# Allegro board GPS_INTERFACE_BOARD_v24_test_SFP_.brd (continued)
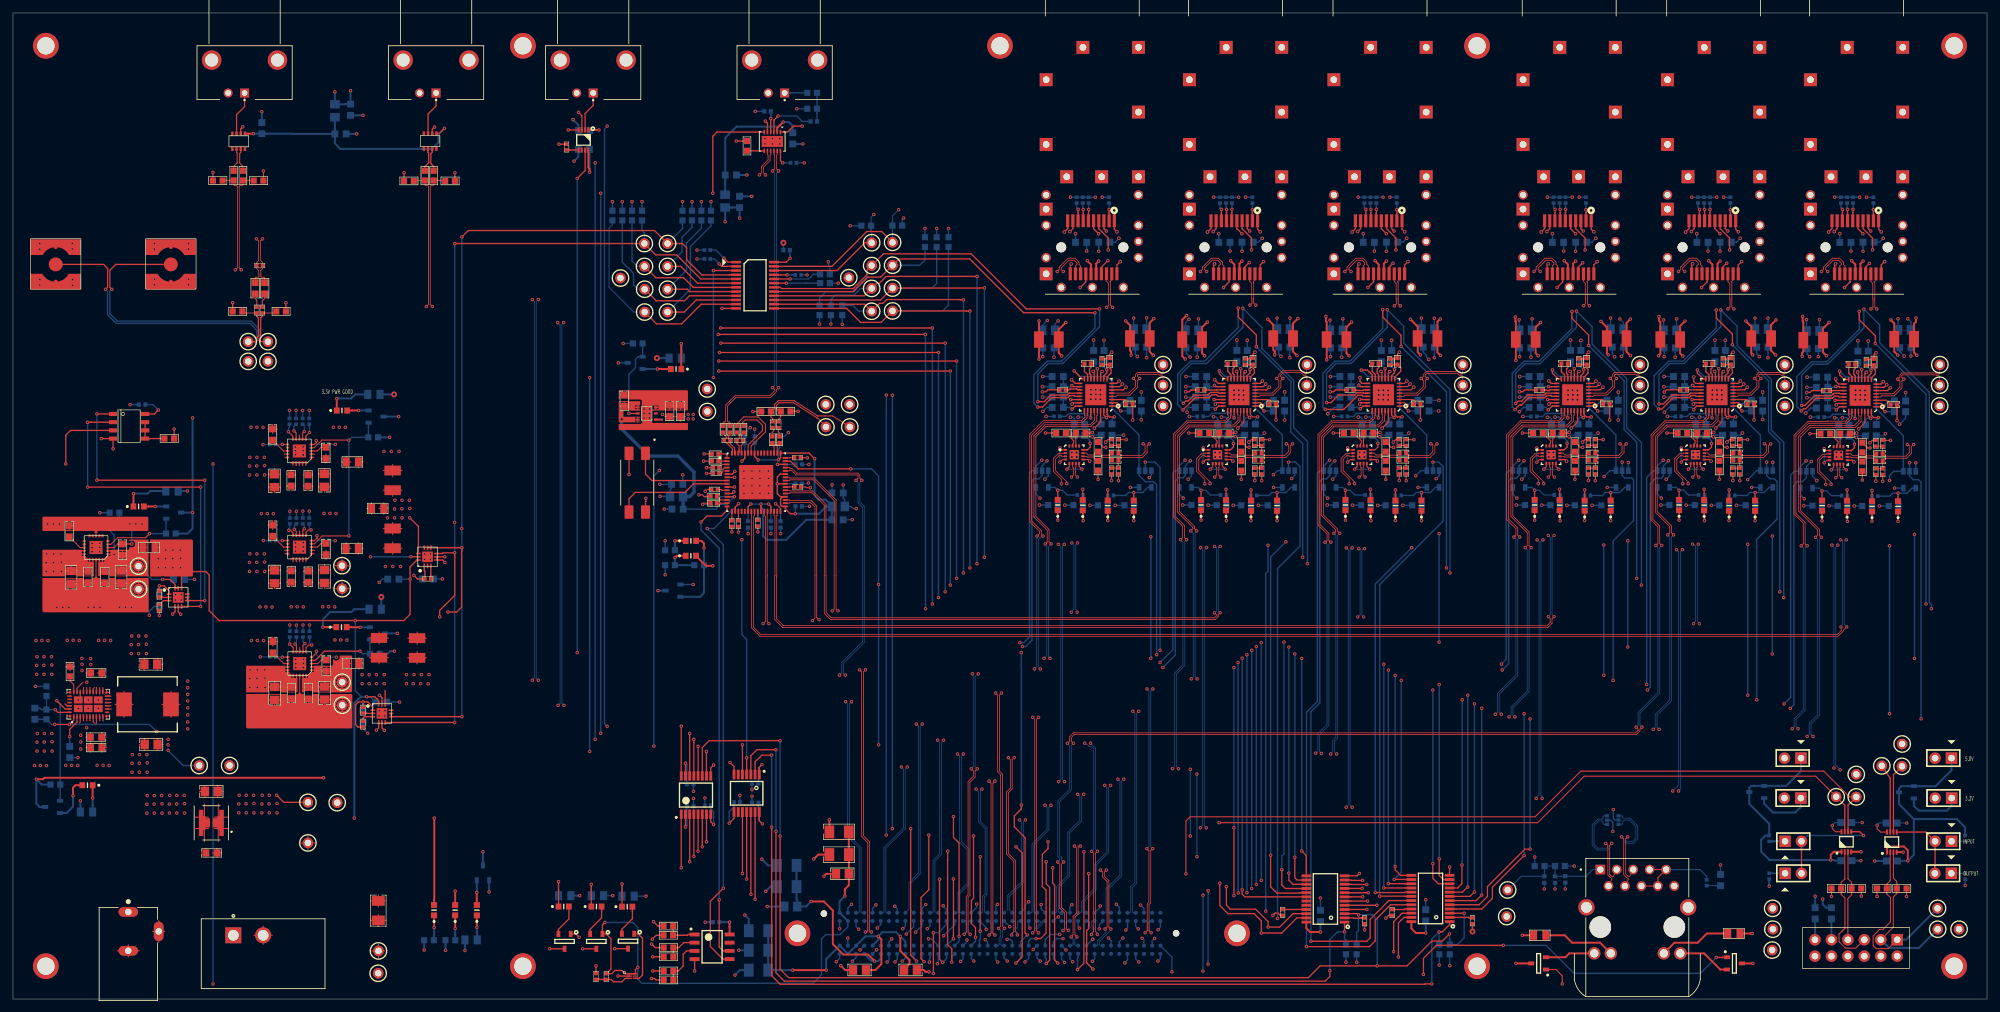
[diagram p0: board, top side]
## Routing (per net, layer and track width the routed paths; a pad name or vN(x,y) marks a point on that pad's centre or on a via; arc(x,y) is an arc through that point) (continued)
PG_5V: length 12
  TOP w0.165: 20.47,71.3 16.14,71.3 15.11,70.27 U7.4
  TOP w0.203: 20.47,71.3 20.47,71.32 v1(21.08,71.93)
  BOTTOM w0.203: Q4.1 23.67,73.71 23.63,73.67 R50.1 v1(21.08,71.93)
PG_5V5: length 18.2
  TOP w0.203: v1(6.78,46.1) 8.06,44.82 U6.31
  BOTTOM w0.203: v1(6.78,46.1) 7.29,45.59 7.29,34.21 7.3,34.2 R40.1 7.3,31.2 7.27,31.17 Q3.1
R_N_SFP INTERFACE_SFP1: length 2.6
  TOP w0.165: U22.15 281.61,85.66 281.8,85.84 281.8,86.16 R130.2
R_N_SFP INTERFACE_SFP2: length 2.6
  TOP w0.165: U26.15 259.54,85.76 259.72,85.94 259.72,86.26 R151.2
R_N_SFP INTERFACE_SFP3: length 2.6
  TOP w0.165: U30.15 237.24,85.76 237.42,85.94 237.42,86.26 R172.2
R_N_SFP INTERFACE_SFP4: length 2.6
  TOP w0.165: R193.2 208.21,86.26 208.21,85.94 208.03,85.76 U34.15
R_N_SFP INTERFACE_SFP5: length 2.6
  TOP w0.165: U38.15 185.73,85.76 185.91,85.94 185.91,86.26 R214.2
R_N_SFP INTERFACE_SFP6: length 2.6
  TOP w0.165: R235.2 163.79,86.26 163.79,85.94 163.61,85.76 U42.15
R_P_SFP INTERFACE_SFP1: length 2
  TOP w0.165: U22.14 282.11,86.68 282.13,86.69 R128.2
R_P_SFP INTERFACE_SFP2: length 2
  TOP w0.165: R149.2 260.06,86.79 260.04,86.78 U26.14
R_P_SFP INTERFACE_SFP3: length 2
  TOP w0.165: R170.2 237.76,86.79 237.74,86.78 U30.14
R_P_SFP INTERFACE_SFP4: length 2
  TOP w0.165: U34.14 208.53,86.78 208.55,86.79 R191.2
R_P_SFP INTERFACE_SFP5: length 2
  TOP w0.165: R212.2 186.24,86.79 186.23,86.78 U38.14
R_P_SFP INTERFACE_SFP6: length 2
  TOP w0.165: R233.2 164.12,86.79 164.11,86.78 U42.14
RS_SFP INTERFACE_SFP1: length 2.8
  TOP w0.203: J18.7 283.26,121.49 283.26,121.49 v1(283.26,122.05)
  BOTTOM w0.203: R129.2 283.18,122.15 283.26,122.07 v1(283.26,122.05)
RS_SFP INTERFACE_SFP2: length 2.8
  TOP w0.203: J19.7 261.19,121.49 261.19,121.49 v1(261.19,122.05)
  BOTTOM w0.203: R150.2 261.11,122.15 261.19,122.07 v1(261.19,122.05)
RS_SFP INTERFACE_SFP3: length 2.8
  TOP w0.203: v1(238.89,122.05) 238.89,121.49 238.88,121.49 J20.7
  BOTTOM w0.203: R171.2 238.81,122.15 238.89,122.07 v1(238.89,122.05)
RS_SFP INTERFACE_SFP4: length 2.8
  TOP w0.203: J21.7 209.67,121.49 209.68,121.49 v1(209.68,122.05)
  BOTTOM w0.203: R192.2 209.6,122.15 209.68,122.07 v1(209.68,122.05)
RS_SFP INTERFACE_SFP5: length 2.8
  TOP w0.203: v1(187.38,122.05) 187.38,121.49 187.37,121.49 J22.7
  BOTTOM w0.203: v1(187.38,122.05) 187.38,122.07 187.3,122.15 R213.2
RS_SFP INTERFACE_SFP6: length 2.8
  TOP w0.203: J23.7 165.25,121.49 165.25,121.49 v1(165.25,122.05)
  BOTTOM w0.165: R234.2 165.18,122.15 165.25,122.07 v1(165.25,122.05)
RT_5V5: length 2.6
  TOP w0.165: R42.1 8.81,49.19 9.38,48.62 U6.26
SFP_RD_N_SFP INTERFACE_SFP1: length 41.4
  TOP w0.127: J18.12 282.06,113.29 282.3,113.53 282.3,113.76 281.89,114.17 281.05,114.17 279.87,113 279.87,112.76 v1(280.19,112.45) ; U23.4 288.32,93.04 288.51,93.23 290.45,93.23 291.66,94.43 291.66,95.51 v1(291.96,95.81) 291.62,96.14 291.62,96.32 291.77,96.47 296.93,96.47 297.07,96.32 297.37,96.32 297.5,96.19 TP56.1
  L5 w0.127: v1(280.19,112.45) 279.87,112.13 279.87,111.89 281.66,110.1 281.66,108.64 288.85,101.45 288.85,99.25 291.62,96.48 291.62,96.14 v1(291.96,95.81)
SFP_RD_N_SFP INTERFACE_SFP2: length 39.5
  TOP w0.127: J19.12 259.99,113.29 260.23,113.53 260.23,113.76 259.82,114.17 258.97,114.17 257.8,113 257.8,112.76 v1(258.11,112.45) ; TP57.1 273.58,96.19 273.46,96.32 273.16,96.32 272.92,96.55 269.68,96.55 269.55,96.43 269.55,96.25 v1(269.89,95.91) 269.58,95.61 269.58,94.53 268.38,93.33 266.43,93.33 266.25,93.15 U27.4
  L5 w0.127: v1(269.89,95.91) 269.55,96.25 269.55,96.54 266.64,99.45 266.64,101.49 259.58,108.55 259.58,110.06 259.41,110.22 259.4,110.22 257.82,111.8 257.82,111.98 258.11,112.27 v1(258.11,112.45)
SFP_RD_N_SFP INTERFACE_SFP3: length 39.4
  TOP w0.127: v1(235.81,112.45) 235.5,112.76 235.5,113 236.67,114.17 237.52,114.17 237.93,113.76 237.93,113.53 237.68,113.29 J20.12 ; TP58.1 251.21,96.19 251.08,96.32 250.78,96.32 250.55,96.55 247.38,96.55 247.25,96.43 247.25,96.25 v1(247.58,95.91) 247.28,95.61 247.28,94.53 246.08,93.33 244.13,93.33 243.95,93.15 U31.4
  L5 w0.127: v1(235.81,112.45) 235.5,112.13 235.5,111.97 237.37,110.1 237.36,110.08 237.49,109.92 237.49,109.92 237.54,109.85 237.55,109.84 237.55,107.99 244.42,101.12 244.42,99.43 247.25,96.6 247.25,96.25 v1(247.58,95.91)
SFP_RD_N_SFP INTERFACE_SFP4: length 41.4
  TOP w0.127: TP59.1 223.85,96.19 223.72,96.32 223.43,96.32 223.05,96.7 218.31,96.7 218.04,96.43 218.04,96.25 v1(218.37,95.91) 218.07,95.61 218.07,94.53 216.87,93.33 214.92,93.33 214.74,93.15 U35.4 ; J21.12 208.47,113.29 208.72,113.53 208.72,113.76 208.31,114.17 207.46,114.17 206.29,113 206.29,112.76 v1(206.6,112.45)
  L5 w0.127: v1(218.37,95.91) 218.04,96.25 218.04,96.74 215.24,99.54 215.24,101.57 210.01,106.8 209.98,106.83 209.94,106.85 209.92,106.9 208.11,108.7 208.11,110.06 206.29,111.89 206.29,112.13 v1(206.6,112.45)
SFP_RD_N_SFP INTERFACE_SFP5: length 39.8
  TOP w0.127: J22.12 186.17,113.29 186.41,113.53 186.41,113.76 186.01,114.17 185.16,114.17 183.98,113 183.98,112.76 v1(184.3,112.45) ; U39.4 192.44,93.15 192.62,93.33 194.57,93.33 195.77,94.53 195.77,95.61 v1(196.07,95.91) 195.74,96.25 195.74,96.43 196.14,96.82 198.84,96.82 199.35,96.32 199.64,96.32 199.77,96.19 TP60.1
  L5 w0.127: v1(184.3,112.45) 183.98,112.13 183.98,111.89 185.84,110.04 185.84,108.64 185.82,108.62 185.82,108.33 193.01,101.13 193.01,99.54 195.74,96.82 195.74,96.25 v1(196.07,95.91)
SFP_RD_N_SFP INTERFACE_SFP6: length 39.5
  TOP w0.127: v1(162.18,112.45) 161.86,112.76 161.86,113 163.04,114.17 163.88,114.17 164.29,113.76 164.29,113.53 164.05,113.29 J23.12 ; TP61.1 177.57,96.19 177.44,96.32 177.15,96.32 176.91,96.55 173.74,96.55 173.61,96.43 173.61,96.25 v1(173.95,95.91) 173.65,95.61 173.65,94.53 172.44,93.33 170.5,93.33 170.32,93.15 U43.4
  L5 w0.127: v1(173.95,95.91) 173.61,96.25 173.61,96.62 170.94,99.29 170.94,101.13 163.72,108.35 163.72,108.64 163.74,108.66 163.74,110.01 161.86,111.89 161.86,112.13 v1(162.18,112.45)
SFP_RD_P_SFP INTERFACE_SFP1: length 42.4
  TOP w0.127: J18.13 282.86,113.29 282.62,113.53 282.62,113.9 282.02,114.49 280.92,114.49 279.55,113.13 279.55,112.76 v1(279.24,112.45) ; TP50.1 297.5,96.72 297.37,96.6 297.19,96.6 297.04,96.75 291.65,96.75 291.34,96.44 291.34,96.14 v1(291.01,95.81) 291.34,95.48 291.34,94.56 290.32,93.54 U23.5
  L5 w0.127: v1(279.24,112.45) 279.55,112.13 279.55,112.05 279.59,112.01 279.59,111.78 281.38,109.99 281.38,108.52 288.57,101.33 288.57,99.14 291.34,96.36 291.34,96.14 v1(291.01,95.81)
SFP_RD_P_SFP INTERFACE_SFP2: length 40.5
  TOP w0.127: U27.5 268.25,93.65 269.27,94.66 269.27,95.58 v1(268.94,95.91) 269.27,96.25 269.27,96.54 269.56,96.83 273.04,96.83 273.28,96.6 273.46,96.6 273.58,96.72 TP51.1 ; v1(257.16,112.45) 257.48,112.76 257.48,113.13 258.84,114.49 259.95,114.49 260.54,113.9 260.54,113.53 260.79,113.29 J19.13
  L5 w0.127: v1(268.94,95.91) 269.27,96.25 269.27,96.43 266.36,99.34 266.36,101.37 259.3,108.43 259.3,109.94 259.28,109.94 257.54,111.68 257.54,112.07 v1(257.16,112.45)
SFP_RD_P_SFP INTERFACE_SFP3: length 40.4
  TOP w0.127: v1(234.86,112.45) 235.18,112.76 235.18,113.13 236.54,114.49 237.65,114.49 238.24,113.9 238.24,113.53 238.48,113.29 J20.13 ; TP52.1 251.21,96.72 251.08,96.6 250.9,96.6 250.66,96.83 247.26,96.83 246.97,96.54 246.97,96.25 v1(246.63,95.91) 246.96,95.58 246.96,94.66 245.95,93.65 U31.5
  L5 w0.127: v1(246.63,95.91) 246.97,96.25 246.97,96.49 244.14,99.31 244.14,101 237.27,107.88 237.27,109.75 237.14,109.9 237.12,109.91 235.18,111.84 235.18,112.13 v1(234.86,112.45)
SFP_RD_P_SFP INTERFACE_SFP4: length 42.4
  TOP w0.127: U35.5 216.74,93.65 217.75,94.66 217.75,95.58 v1(217.42,95.91) 217.76,96.25 217.76,96.54 218.2,96.98 223.16,96.98 223.54,96.6 223.72,96.6 223.85,96.72 TP53.1 ; v1(205.65,112.45) 205.97,112.76 205.97,113.13 207.33,114.49 208.44,114.49 209.03,113.9 209.03,113.53 209.27,113.29 J21.13
  L5 w0.127: v1(205.65,112.45) 205.97,112.13 205.97,111.76 207.8,109.93 207.8,108.57 209.79,106.58 209.84,106.58 214.96,101.46 214.96,99.43 217.76,96.63 217.76,96.25 v1(217.42,95.91)
SFP_RD_P_SFP INTERFACE_SFP5: length 40.7
  TOP w0.127: v1(183.35,112.45) 183.67,112.76 183.67,113.13 185.03,114.49 186.14,114.49 186.73,113.9 186.73,113.53 186.97,113.29 J22.13 ; TP54.1 199.77,98.04 199.77,96.72 199.64,96.6 199.46,96.6 198.96,97.1 196.02,97.1 195.46,96.54 195.46,96.25 v1(195.12,95.91) 195.45,95.58 195.45,94.66 194.43,93.65 U39.5
  L5 w0.127: v1(183.35,112.45) 183.67,112.13 183.67,111.76 185.52,109.91 185.52,108.64 185.54,108.62 185.54,108.21 192.74,101.02 192.74,99.43 195.46,96.7 195.46,96.25 v1(195.12,95.91)
SFP_RD_P_SFP INTERFACE_SFP6: length 40.4
  TOP w0.127: U43.5 172.31,93.65 173.33,94.66 173.33,95.58 v1(173,95.91) 173.34,96.25 173.34,96.54 173.63,96.83 177.03,96.83 177.26,96.6 177.44,96.6 177.57,96.72 TP55.1 ; J23.13 164.85,113.29 164.61,113.53 164.61,113.9 164.01,114.49 162.91,114.49 161.54,113.13 161.54,112.76 v1(161.23,112.45)
  L5 w0.127: v1(173,95.91) 173.34,96.25 173.34,96.5 170.66,99.17 170.66,101.02 163.44,108.24 163.44,108.64 163.42,108.66 163.42,109.88 161.54,111.76 161.54,112.13 v1(161.23,112.45)
SFP_TD_N_SFP INTERFACE_SFP1: length 59.6
  TOP w0.127: J18.19 287.66,111.15 287.36,110.85 287.46,110.75 287.46,108.25 287.45,108.23 287.46,107.94 287.46,106.97 v1(287.78,106.65) ; R126.1 R122.2 288.69,81.97 C141.2 289.08,83.58 292.37,83.58 293.13,84.34 293.13,85.41 293.29,85.57 293.42,85.57 293.46,85.61 v1(293.46,85.71)
  L4 w0.165: v1(293.46,85.71) 293.46,85.89 293.17,86.18 293.17,96.19 289.78,99.58 289.78,101.58 287.41,103.94 287.41,104.74
  L5 w0.127: v1(287.78,106.65) 287.46,106.34 287.46,104.51 289.81,102.16 289.81,99.67 293.12,96.36 293.12,86.04 v1(293.46,85.71)
SFP_TD_N_SFP INTERFACE_SFP2: length 38
  TOP w0.127: v1(265.7,106.65) 265.39,106.97 265.39,107.94 265.37,108.23 265.39,108.25 265.39,110.75 265.29,110.85 265.59,111.15 J19.19 ; C164.2 267.01,83.68 270.3,83.68 271.06,84.44 271.06,85.51 271.22,85.68 271.35,85.68 271.38,85.71 v1(271.38,85.81)
  TOP w0.165: C164.2 266.61,82.07 R143.2 R147.1
  L5 w0.127: v1(271.38,85.81) 271.38,85.99 271.08,86.3 271.08,86.36 271.07,86.36 271.07,96.35 267.72,99.71 267.72,102.01 265.39,104.33 265.39,106.34 v1(265.7,106.65)
SFP_TD_N_SFP INTERFACE_SFP3: length 38
  TOP w0.127: v1(243.4,107.15) 243.09,107.47 243.09,107.94 243.07,108.23 243.09,108.25 243.09,110.75 242.99,110.85 243.28,111.15 J20.19 ; C187.2 244.71,83.68 248,83.68 248.75,84.44 248.75,85.51 248.92,85.68 249.05,85.68 249.08,85.71 v1(249.08,85.81)
  TOP w0.165: C187.2 244.31,82.07 R164.2 R168.1
  L5 w0.127: v1(249.08,85.81) 249.08,85.99 248.69,86.38 248.69,90.37 248.65,90.42 248.65,96.46 245.44,99.67 245.44,102.01 243.09,104.36 243.09,106.84 v1(243.4,107.15)
SFP_TD_N_SFP INTERFACE_SFP4: length 38
  TOP w0.127: v1(214.19,107.13) 213.88,107.44 213.88,107.94 213.86,108.23 213.88,108.25 213.88,110.75 213.78,110.85 214.07,111.15 J21.19 ; C210.2 215.5,83.68 218.79,83.68 219.54,84.44 219.54,85.51 219.71,85.68 219.84,85.68 219.87,85.71 v1(219.87,85.81)
  TOP w0.165: C210.2 215.1,82.07 R185.2 R189.1
  L5 w0.127: v1(214.19,107.13) 213.88,106.81 213.88,104.45 216.23,102.1 216.23,99.92 219.3,96.85 219.3,91.27 219.27,91.24 219.27,88.85 219.58,88.54 219.58,86.28 219.87,85.99 v1(219.87,85.81)
SFP_TD_N_SFP INTERFACE_SFP5: length 38.1
  TOP w0.127: C233.2 193.2,83.68 196.49,83.68 197.24,84.44 197.24,85.51 197.41,85.68 197.54,85.68 197.57,85.71 v1(197.57,85.81) ; v1(191.89,107.24) 191.58,107.56 191.58,107.94 191.58,107.94 191.56,108.23 191.58,108.25 191.58,110.75 191.48,110.85 191.77,111.15 J22.19
  TOP w0.165: C233.2 192.8,82.07 R206.2 R210.1
  L5 w0.127: v1(191.89,107.24) 191.58,106.93 191.58,104.09 193.98,101.69 193.98,99.62 195.7,97.9 195.8,97.9 195.87,97.84 195.89,97.84 197.28,96.45 197.28,86.28 197.57,85.99 v1(197.57,85.81)
SFP_TD_N_SFP INTERFACE_SFP6: length 38
  TOP w0.127: v1(169.77,106.9) 169.45,107.21 169.45,107.94 169.44,108.23 169.46,108.25 169.46,110.75 169.35,110.85 169.65,111.15 J23.19 ; C256.2 171.07,83.68 174.36,83.68 175.12,84.44 175.12,85.51 175.29,85.68 175.41,85.68 175.45,85.71 v1(175.45,85.81)
  TOP w0.165: C256.2 170.68,82.07 R227.2 R231.1
  L5 w0.127: v1(169.77,106.9) 169.45,106.58 169.45,103.89 171.75,101.59 171.75,99.44 174.92,96.28 174.94,96.28 175.12,96.11 175.12,96.02 175.14,96 175.14,86.3 175.45,85.99 v1(175.45,85.81)
SFP_TD_P_SFP INTERFACE_SFP1: length 59
  TOP w0.127: v1(292.51,85.71) 292.65,85.71 292.81,85.54 292.81,84.47 292.24,83.9 289.07,83.9 C140.2 288.69,85.44 R121.2 R123.1 ; v1(286.87,106.65) 287.18,106.97 287.18,107.93 287.17,108.21 287.15,108.23 287.15,110.62 286.86,110.91 J18.18
  L4 w0.165: 287.1,104.73 287.1,103.81 289.46,101.45 289.46,99.45 292.85,96.06 292.85,86.14 292.67,85.96 292.67,85.87 v1(292.51,85.71)
  L5 w0.127: v1(292.51,85.71) 292.84,86.04 292.84,96.25 289.53,99.55 289.53,102.04 287.18,104.39 287.18,106.34 v1(286.87,106.65)
SFP_TD_P_SFP INTERFACE_SFP2: length 37.4
  TOP w0.127: v1(264.8,106.65) 265.11,106.97 265.11,107.93 265.09,108.21 265.07,108.23 265.07,110.62 264.79,110.91 J19.18 ; v1(270.43,85.81) 270.57,85.81 270.74,85.64 270.74,84.57 270.17,84 267,84 C163.2
  TOP w0.165: C163.2 266.61,85.55 R142.2 R144.1
  L5 w0.127: v1(270.43,85.81) 270.6,85.97 270.6,86.06 270.8,86.26 270.8,96.23 267.44,99.59 267.44,101.89 265.11,104.22 265.11,106.34 v1(264.8,106.65)
SFP_TD_P_SFP INTERFACE_SFP3: length 37.3
  TOP w0.127: v1(242.49,107.15) 242.81,107.47 242.81,107.93 242.79,108.21 242.77,108.23 242.77,110.62 242.48,110.91 J20.18 ; v1(248.13,85.81) 248.27,85.81 248.44,85.64 248.44,84.57 247.87,84 244.69,84 C186.2
  TOP w0.165: R165.1 R163.2 244.31,85.55 C186.2
  L5 w0.127: v1(242.49,107.15) 242.81,106.84 242.81,104.24 245.16,101.89 245.16,99.55 248.37,96.35 248.37,90.3 248.42,90.25 248.42,86.29 248.38,86.26 248.38,86.25 248.37,86.24 248.37,86.13 248.3,86.06 248.3,85.97 v1(248.13,85.81)
SFP_TD_P_SFP INTERFACE_SFP4: length 37.4
  TOP w0.127: v1(213.28,107.13) 213.6,107.44 213.6,107.93 213.58,108.21 213.56,108.23 213.56,110.62 213.27,110.91 J21.18 ; v1(218.92,85.81) 219.06,85.81 219.23,85.64 219.23,84.57 218.66,84 215.48,84 C209.2
  TOP w0.165: C209.2 215.1,85.55 R184.2 R186.1
  L5 w0.127: v1(218.92,85.81) 219.09,85.97 219.09,86.06 219.3,86.28 219.3,88.43 219,88.74 219,91.36 219.02,91.38 219.02,96.74 215.95,99.81 215.95,101.98 213.6,104.33 213.6,106.81 v1(213.28,107.13)
SFP_TD_P_SFP INTERFACE_SFP5: length 37.4
  TOP w0.127: v1(190.99,107.24) 191.3,107.56 191.3,107.88 191.28,108.21 191.26,108.23 191.26,110.62 190.97,110.91 J22.18 ; C232.2 193.18,84 196.35,84 196.93,84.57 196.93,85.64 196.76,85.81 v1(196.62,85.81)
  TOP w0.165: C232.2 192.8,85.55 R205.2 R207.1
  L5 w0.127: v1(196.62,85.81) 196.79,85.97 196.79,86.06 196.96,86.24 196.96,96.32 195.68,97.6 195.66,97.6 195.64,97.62 195.56,97.62 195.38,97.8 195.38,97.82 193.7,99.5 193.7,101.57 191.3,103.97 191.3,106.93 v1(190.99,107.24)
SFP_TD_P_SFP INTERFACE_SFP6: length 37.3
  TOP w0.127: v1(174.5,85.81) 174.64,85.81 174.8,85.64 174.8,84.57 174.23,84 171.06,84 C255.2 ; v1(168.86,106.9) 169.17,107.21 169.17,107.93 169.16,108.21 169.14,108.23 169.14,110.62 168.85,110.91 J23.18
  TOP w0.165: C255.2 170.68,85.55 R226.2 R228.1
  L5 w0.127: v1(168.86,106.9) 169.17,106.58 169.17,103.77 171.48,101.47 171.48,99.33 174.82,95.98 174.82,86.22 174.66,86.06 174.66,85.97 v1(174.5,85.81)
SPARE_BNC_CONN_0: length 29
  TOP w0.165: P1.1 289.56,7.8 287.71,7.8 287.22,8.28 287.22,9.78 288.21,10.77 288.72,10.77 289.89,11.94 289.89,15.67 289.32,16.24 R109.1 289.32,17.78 289.84,18.3 IC5.2
  BOTTOM w0.305: TP79.1 292.3,9.17 P1.1
SPARE_BNC_CONN_1: length 25.3
  TOP w0.165: P1.3 290.34,11.12 290.32,11.14 290.32,15.75 290.87,16.29 R108.1 290.87,17.78 290.86,17.79 290.86,18.19 290.34,18.7 IC5.3
  BOTTOM w0.305: P1.3 289.66,7.9 294.28,7.9 TP78.1
SPARE_LEMO_CONN_0: length 37.8
  TOP w0.165: P1.5 284.56,7.87 282.93,7.87 281.94,8.86 281.94,10.03 282.85,10.95 282.85,15.6 282.28,16.17 R105.1 282.28,18.02 282.83,18.57 IC4.2
  L5 w0.305: P1.5 285.85,12.65 284.48,14.02 TP77.1
SPARE_LEMO_CONN_1: length 26.3
  TOP w0.165: IC4.3 283.33,18.6 283.88,18.05 R104.1 283.88,16.09 283.31,15.52 P1.7
  L5 w0.305: TP76.1 281.69,10.79 P1.7
SPARE_RJ45_CM: length 18.8
  BOTTOM w0.165: J17.P1 243.92,20.01 242.89,18.99 C128.1 239.12,18.99 239.1,18.96 C127.1 238.1,19.49 238.11,19.5 R117.1 R116.1 236.46,19.51 236.45,19.49 C129.1 232.88,18.96 TP27.1
SQUELCH_SFP INTERFACE_SFP1: length 6.4
  TOP w0.165: U23.27 284.44,90.23 284.43,90.22 v1(284.43,89.71)
  BOTTOM w0.203: R135.1 280.57,89.94 281.03,90.4 283.74,90.4 v1(284.43,89.71)
SQUELCH_SFP INTERFACE_SFP2: length 6.4
  TOP w0.165: v1(262.36,89.81) 262.36,90.32 262.37,90.34 U27.27
  BOTTOM w0.203: R156.1 258.5,90.04 258.88,90.42 258.97,90.42 259.03,90.48 261.69,90.48 v1(262.36,89.81)
SQUELCH_SFP INTERFACE_SFP3: length 6.4
  TOP w0.165: v1(240.06,89.81) 240.06,90.32 240.07,90.34 U31.27
  BOTTOM w0.203: R177.1 236.19,90.04 236.65,90.5 239.37,90.5 v1(240.06,89.81)
SQUELCH_SFP INTERFACE_SFP4: length 6.4
  TOP w0.203: v1(210.85,89.81) 210.85,90.32 210.86,90.34 U35.27
  BOTTOM w0.203: R198.1 206.98,90.04 207.47,90.53 210.13,90.53 v1(210.85,89.81)
SQUELCH_SFP INTERFACE_SFP5: length 6.4
  TOP w0.165: v1(188.54,89.81) 188.54,90.32 188.56,90.34 U39.27
  BOTTOM w0.203: v1(188.54,89.81) 187.82,90.53 185.14,90.53 184.65,90.04 R219.1
SQUELCH_SFP INTERFACE_SFP6: length 6.4
  TOP w0.203: U43.27 166.43,90.34 166.42,90.32 v1(166.42,89.81)
  BOTTOM w0.203: v1(166.42,89.81) 165.76,90.47 164.7,90.47 164.69,90.48 164.24,90.48 164.23,90.47 162.99,90.47 162.56,90.04 R240.1
SS_2V5: length 3
  TOP w0.17: U12.13 41.82,51.84 40.15,53.52 C85.1
SS_3V3_1: length 3
  TOP w0.17: U9.13 41.8,69.85 40.12,71.52 C65.1
SS_3V3_2: length 3
  TOP w0.17: U11.13 41.77,84.71 40.1,86.38 C76.1
SS_5V: length 3
  TOP w0.17: U7.13 10.38,69.77 8.7,71.45 C57.1
TEMP_ADDR: length 5.5
  TOP w0.203: U46.7 U46.6 U46.5 R253.1
THRADJ_SFP INTERFACE_SFP1: length 3.7
  TOP w0.203: U23.9 286.94,96.02 287.55,96.63 287.55,97.22 287.35,97.42 C153.2 286.67,97.95 286.67,97.95 R134.2
THRADJ_SFP INTERFACE_SFP2: length 3.7
  TOP w0.203: U27.9 264.87,96.12 265.48,96.73 265.48,97.32 265.28,97.53 C176.2 264.6,98.05 264.59,98.05 R155.2
THRADJ_SFP INTERFACE_SFP3: length 3.7
  TOP w0.203: U31.9 242.57,96.12 243.18,96.73 243.18,97.32 242.98,97.53 C199.2 242.29,98.05 242.29,98.05 R176.2
THRADJ_SFP INTERFACE_SFP4: length 4
  TOP w0.203: R197.2 213.08,98.05 213.08,98.05 C222.2 213.79,98.05 214.27,97.57 214.27,97.03 213.36,96.12 U35.9
THRADJ_SFP INTERFACE_SFP5: length 3.7
  TOP w0.203: U39.9 191.06,96.12 191.67,96.73 191.67,97.32 191.47,97.53 C245.2 190.78,98.05 190.78,98.05 R218.2
THRADJ_SFP INTERFACE_SFP6: length 3.7
  TOP w0.165: R239.2 168.66,98.05 168.66,98.05 C268.2
  TOP w0.203: C268.2 169.34,97.53 169.54,97.32 169.54,96.73 168.93,96.12 U43.9
VP2V5: length 25.5
  TOP w0.165: 46.56,51.31 46.52,51.34 U12.2 ; C83.1 48.36,51.37 ; C83.1 48.36,49.97 ; C83.1 49.08,50.67 ; C83.1 47.64,50.67 ; C80.1 48.13,49.12 ; C80.1 49.06,48.29 ; C80.1 47.2,48.29 ; 51.5,50.99 R58.1 ; R58.1 50.77,51.87 ; R58.1 52.23,51.87 ; R58.1 51.5,52.75 ; 46.53,50.84 U12.1 46.09,50.51 ; 45.27,49.59 U12.20 45.6,50.02 ; 44.9,48.13 C79.1 ; C79.1 45.62,48.84 ; C79.1 46.34,48.13 ; 44.78,49.58 44.77,49.59 U12.19 ; TP19.1 50.83,49.97 ; TP19.1 51.83,48.97 ; TP19.1 50.83,47.97 ; TP19.1 49.82,48.97
  TOP w0.203: U13.11 56.97,46.56 v1(56.59,46.94)
  L5 w0.203: v1(56.59,46.94) 56.08,46.94 55.27,47.75 52.04,47.75 TP19.1
VP3V3: length 14.9
  TOP w0.165: R54.1 53.35,83.89 ; R54.1 53.35,82.13 ; R54.1 54.08,83.01 ; 53.32,68.77 R52.2 ; R52.2 53.32,70.53 ; R52.2 54.05,69.65 ; R53.1 55.36,76.7 ; R53.1 55.36,74.94 ; R53.1 54.63,75.82
  TOP w0.203: U10.11 v1(61.44,68.35)
  BOTTOM w0.203: v1(61.44,68.35) v1(55.19,68.35)
VP5V: length 31.9
  TOP w0.165: TP15.1 20.38,66.9 ; TP15.1 18.38,66.9 ; TP15.1 19.38,67.91 ; TP15.1 19.38,65.9 ; 15.11,69.24 15.08,69.27 U7.2 ; C56.1 16.92,69.31 ; C56.1 16.2,68.6 ; C56.1 17.63,68.6 ; C56.1 16.92,67.9 ; 15.76,66.23 C55.1 ; C55.1 16.69,67.06 ; C55.1 17.62,66.23 ; 13.83,67.52 U7.20 14.16,67.95 ; 20.06,68.9 R45.1 ; R45.1 20.06,70.65 ; R45.1 20.78,69.77 ; R45.1 19.33,69.77 ; 15.08,68.77 U7.1 14.65,68.44 ; C54.1 14.89,66.07 ; C54.1 14.17,66.77 ; C54.1 13.45,66.07 ; 13.34,67.51 13.33,67.52 U7.19
  TOP w0.203: U8.11 U8.12 25.03,64.06 24.24,64.85 v1(23.11,64.85)
  BOTTOM w0.203: TP15.1 21.44,64.85 v1(23.11,64.85) C58.2 ; R46.1 14.95,72.4 15.62,71.73 v1(15.62,68.71)
VP5V5: length 68.1
  TOP w0.165: 22.29,50.81 C49.1 ; C49.1 22.29,52.67 ; C49.1 23.11,51.74 ; C60.1 42.98,66.87 ; C60.1 42.26,66.17 ; C60.1 43.7,66.17 ; 43.22,82.46 U11.16 42.89,82.89 ; 41.99,68.85 U9.15 42.43,68.52 ; 39.46,66.25 C61.1 ; C61.1 41.31,66.25 ; C61.1 40.39,67.08 ; 12.32,67.51 12.33,67.52 U7.17 ; 39.48,48.24 C77.1 ; C77.1 40.41,49.07 ; C77.1 41.34,48.24 ; C53.1 11.56,66.8 ; C53.1 10.84,66.09 ; C53.1 12.28,66.09 ; U11.17 43.72,82.46 43.71,82.45 ; C71.1 43.67,81.03 ; C71.1 42.95,81.73 ; C71.1 42.23,81.03 ; U9.14 41.97,69.35 41.96,69.34 ; 41.94,84.2 41.94,84.21 U11.14 ; U12.14 41.99,51.34 41.99,51.33 ; C50.1 23.16,39.34 ; C50.1 22.34,40.27 ; C50.1 22.34,38.42 ; L6.2 24.4,47.57 ; L6.2 24.4,43.51 ; L6.2 23.01,45.54 ; L6.2 25.79,45.54 ; U7.14 10.55,69.27 10.54,69.27 ; C52.1 8.97,67 ; C52.1 8.04,66.18 ; C52.1 9.89,66.18 ; C70.1 40.36,81.94 ; C70.1 39.43,81.11 ; C70.1 41.29,81.11 ; 11.83,67.52 U7.16 11.5,67.95 ; 42.28,48.16 C78.1 ; C78.1 43.72,48.16 ; C78.1 43,48.86 ; U12.17 43.77,49.59 43.76,49.58 ; 42.4,83.38 U11.15 41.97,83.71 ; 11.01,68.44 U7.15 10.57,68.77 ; 43.25,67.6 U9.16 42.92,68.03 ; 43.27,49.59 U12.16 42.94,50.02 ; 42.02,50.84 U12.15 42.45,50.51 ; U9.17 43.75,67.6 43.74,67.59
  TOP w0.203: U6.1 9.38,43.11 8.72,42.44 v1(8.71,42.44) v1(6.45,42.44)
  BOTTOM w0.203: v1(8.71,42.44) 11.14,42.44 11.16,42.46 11.6,42.46 11.62,42.44 21.08,42.44 v1(22.17,41.35) ; TP11.1 26.29,36.09 v1(23.95,38.43) ; C51.1 4.15,43.23 4.16,43.24 R41.1 5.98,42.44 v1(6.45,42.44)
  vias: v1(5.13,67.44) v1(5.13,66.07) v1(5.18,68.78) v1(6.25,67.46) v1(6.27,68.78) v1(6.27,66.07) v1(7.42,68.78) v1(7.47,67.51) v1(7.47,66.07) v1(23.95,40.13) v1(23.95,39.29) v1(26.97,49.15) v1(26.97,48.11) v1(26.97,47.09) v1(26.97,46.08) v1(26.97,45.01) v1(26.97,43.92) v1(26.97,42.82) v1(26.97,41.76) v1(36.53,82.37) v1(36.53,81) v1(36.53,67.46) v1(36.53,66.09) v1(36.58,83.72) v1(36.58,68.81) v1(36.63,50.88) v1(36.58,49.53) v1(36.58,48.16) v1(37.64,82.4) v1(37.64,67.49) v1(37.67,83.72) v1(37.67,81) v1(37.67,68.81) v1(37.67,66.09) v1(37.72,50.88) v1(37.69,49.56) v1(37.72,48.16) v1(38.81,83.72) v1(38.81,68.81) v1(38.86,82.45) v1(38.86,81) v1(38.86,67.54) v1(38.86,66.09) v1(38.86,50.88) v1(38.91,49.61) v1(38.91,48.16)
VP12V: length 24.4
  TOP w0.165: 11.28,38.86 C42.1 ; C42.1 11.99,38.14 ; C42.1 11.99,39.58 ; C43.1 11.99,51.11 ; C43.1 11.28,50.39 ; C43.1 11.99,49.68 ; C40.1 31.63,33.01 ; C40.1 32.46,32.08 ; C40.1 31.63,31.15 ; FL1.2 33.16,28.1 ; FL1.2 31.1,28.1 ; FL1.2 31.71,30.16 ; U6.21 11.88,48.13 11.89,48.13 ; U6.4 10.88,43.01 10.87,43 ; U6.5 11.38,43.01 11.38,43 ; U6.23 10.88,48.14 10.9,48.16 ; 10.79,48.95 9.88,48.03 U6.25 ; C44.1 11.96,41.21 ; C44.1 11.96,39.77 ; C44.1 11.26,40.49 ; 11.89,43.03 11.88,43.03 U6.6 ; U6.22 11.38,48.13 11.38,48.13
  TOP w0.203: TP9.1 41.81,30.4 v1(40.72,31.5)
  vias: v1(10.46,40.77) v1(10.46,39.73) v1(10.46,38.66) v1(10.64,52.65) v1(10.67,51.74) v1(10.67,50.77) v1(11.4,48.97) v1(11.38,41.94) v1(11.99,52.6) v1(12.01,51.71) v1(34.92,31.5) v1(34.87,30.15) v1(34.87,28.78) v1(36.02,31.5) v1(35.99,30.18) v1(36.02,28.78) v1(37.16,31.5) v1(37.21,30.23) v1(37.21,28.78) v1(38.43,30.15) v1(38.43,28.78) v1(38.48,31.5) v1(39.55,30.18) v1(39.57,31.5) v1(39.57,28.78) v1(40.77,30.23) v1(40.77,28.78)
VREF_SFP INTERFACE_SFP1: length 2.6
  TOP w0.203: C154.1 289.9,91.9 289.25,92.54 U23.3
VREF_SFP INTERFACE_SFP2: length 2.9
  TOP w0.203: U27.3 267.71,92.65 267.83,92.53 C177.1
VREF_SFP INTERFACE_SFP3: length 2.9
  TOP w0.203: C200.1 245.53,92.53 245.41,92.65 U31.3
VREF_SFP INTERFACE_SFP4: length 2.9
  TOP w0.165: C223.1 216.32,92.53 216.2,92.65 U35.3
VREF_SFP INTERFACE_SFP5: length 2.9
  TOP w0.203: U39.3 193.89,92.65 194.01,92.53 C246.1